# Altium PCB LTC5510.PcbDoc
Units mil, origin at the board's own origin, x right, y up, seen from the top; angles counter-clockwise.
Board outline 1422 x 1139 mil, 4 copper layers (Top Layer, Internal Plane 1, PWR, Bottom Layer), stack 61.855 mil thick; 26 components, 21 nets, 89 pads, 266 vias.
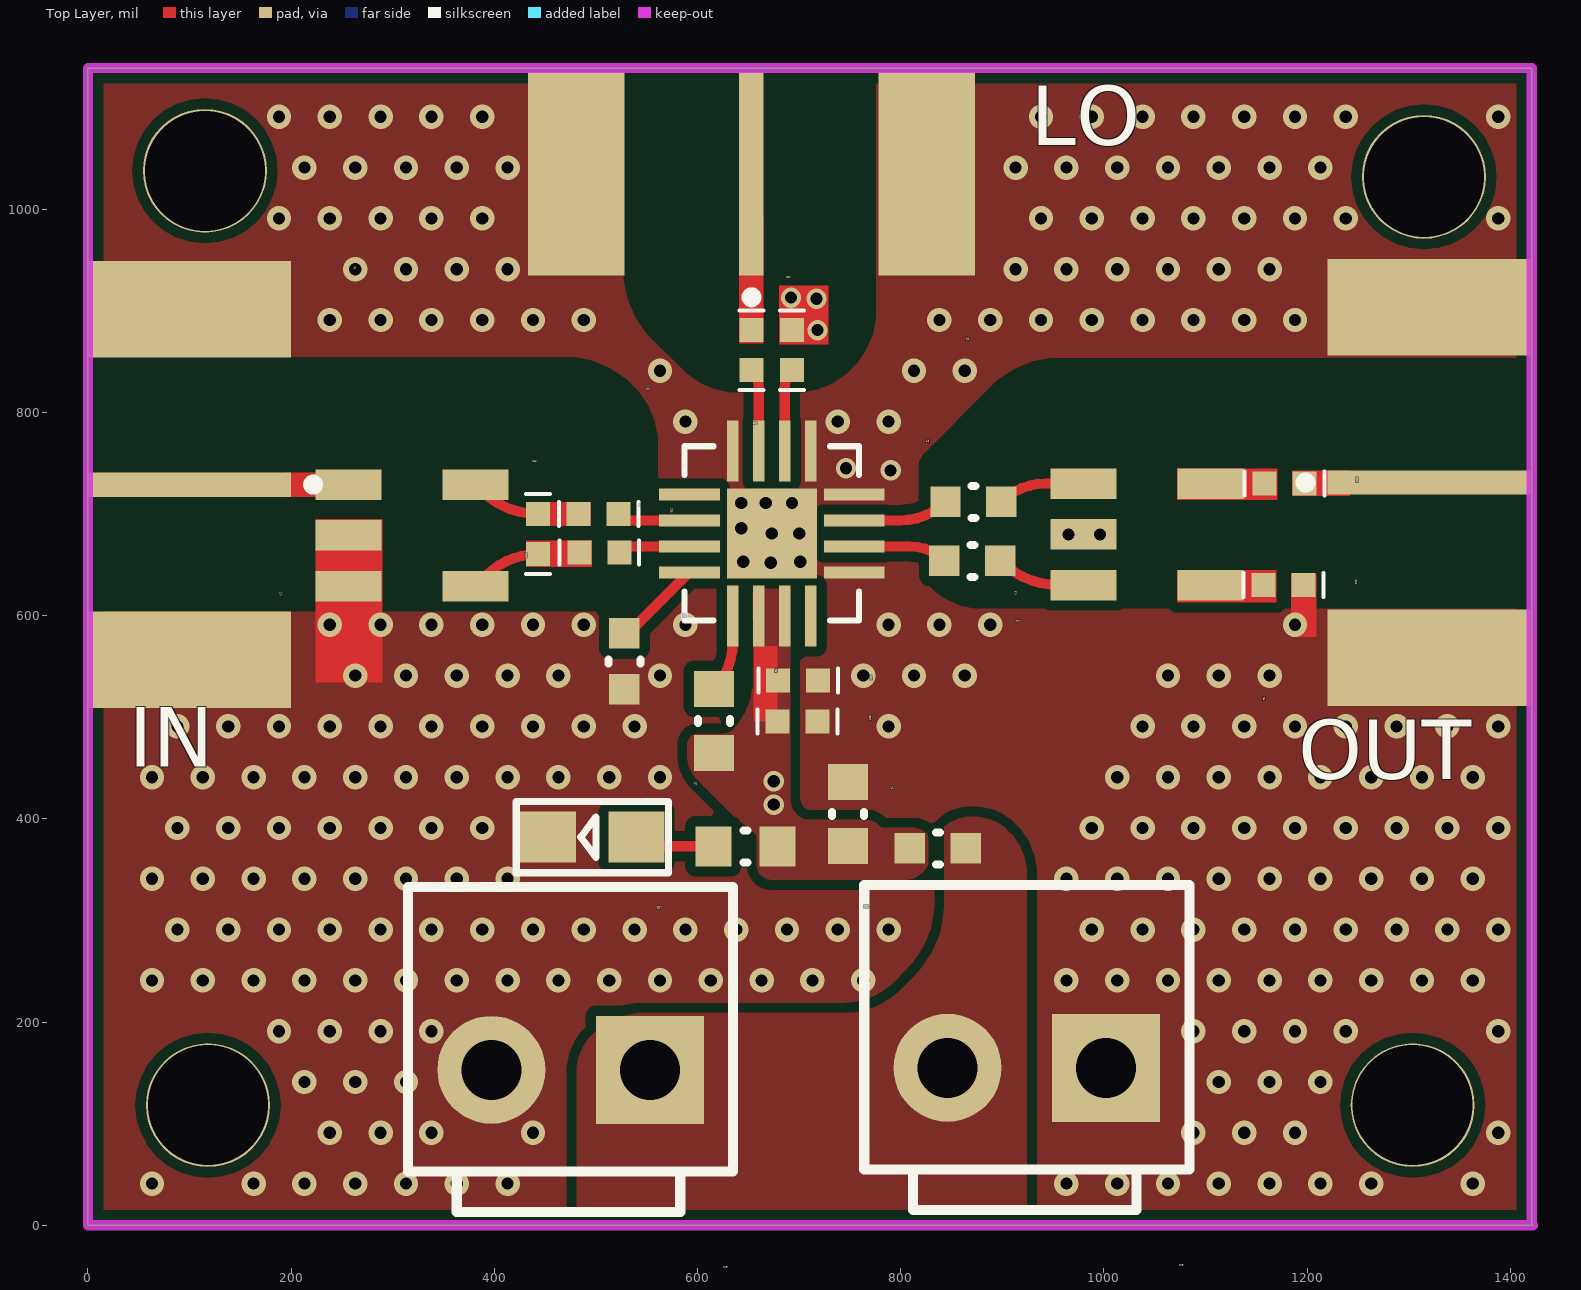
[diagram p0: Top Layer view]
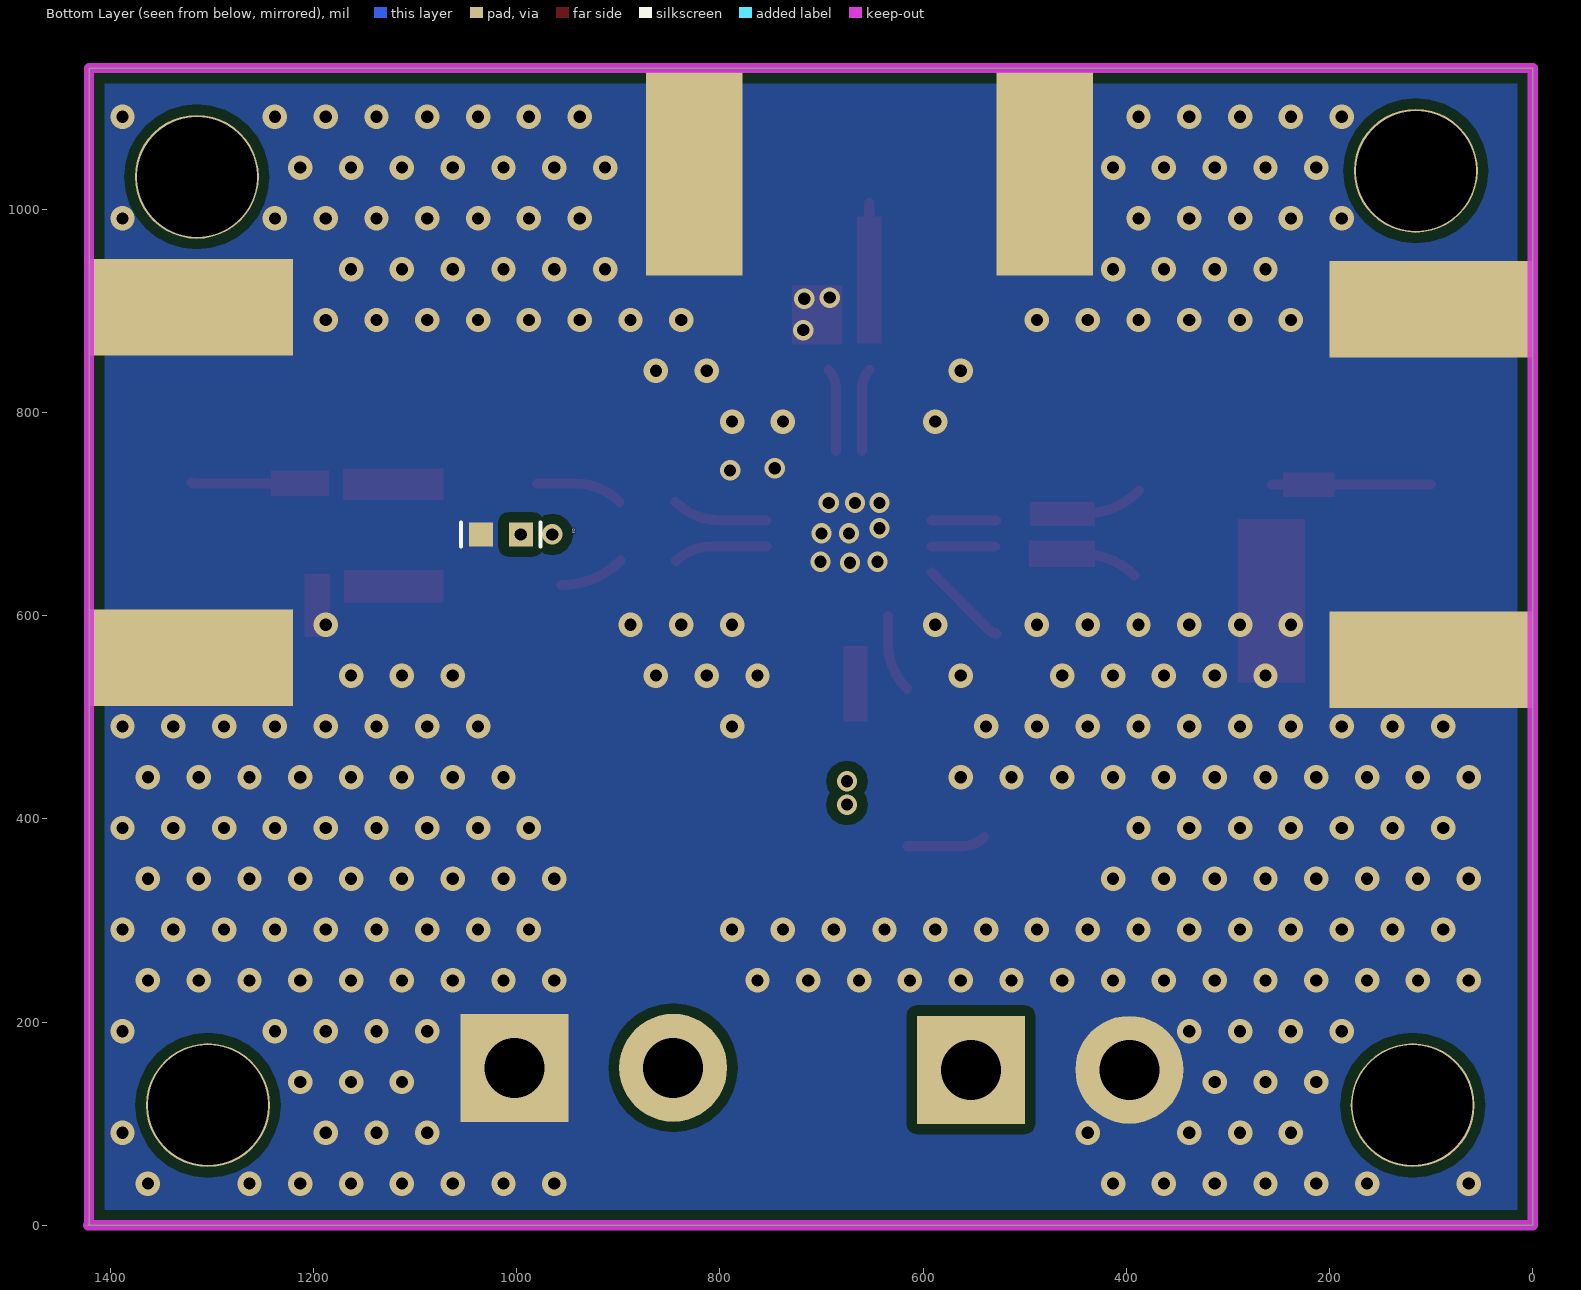
[diagram p1: Bottom Layer view, seen from below]
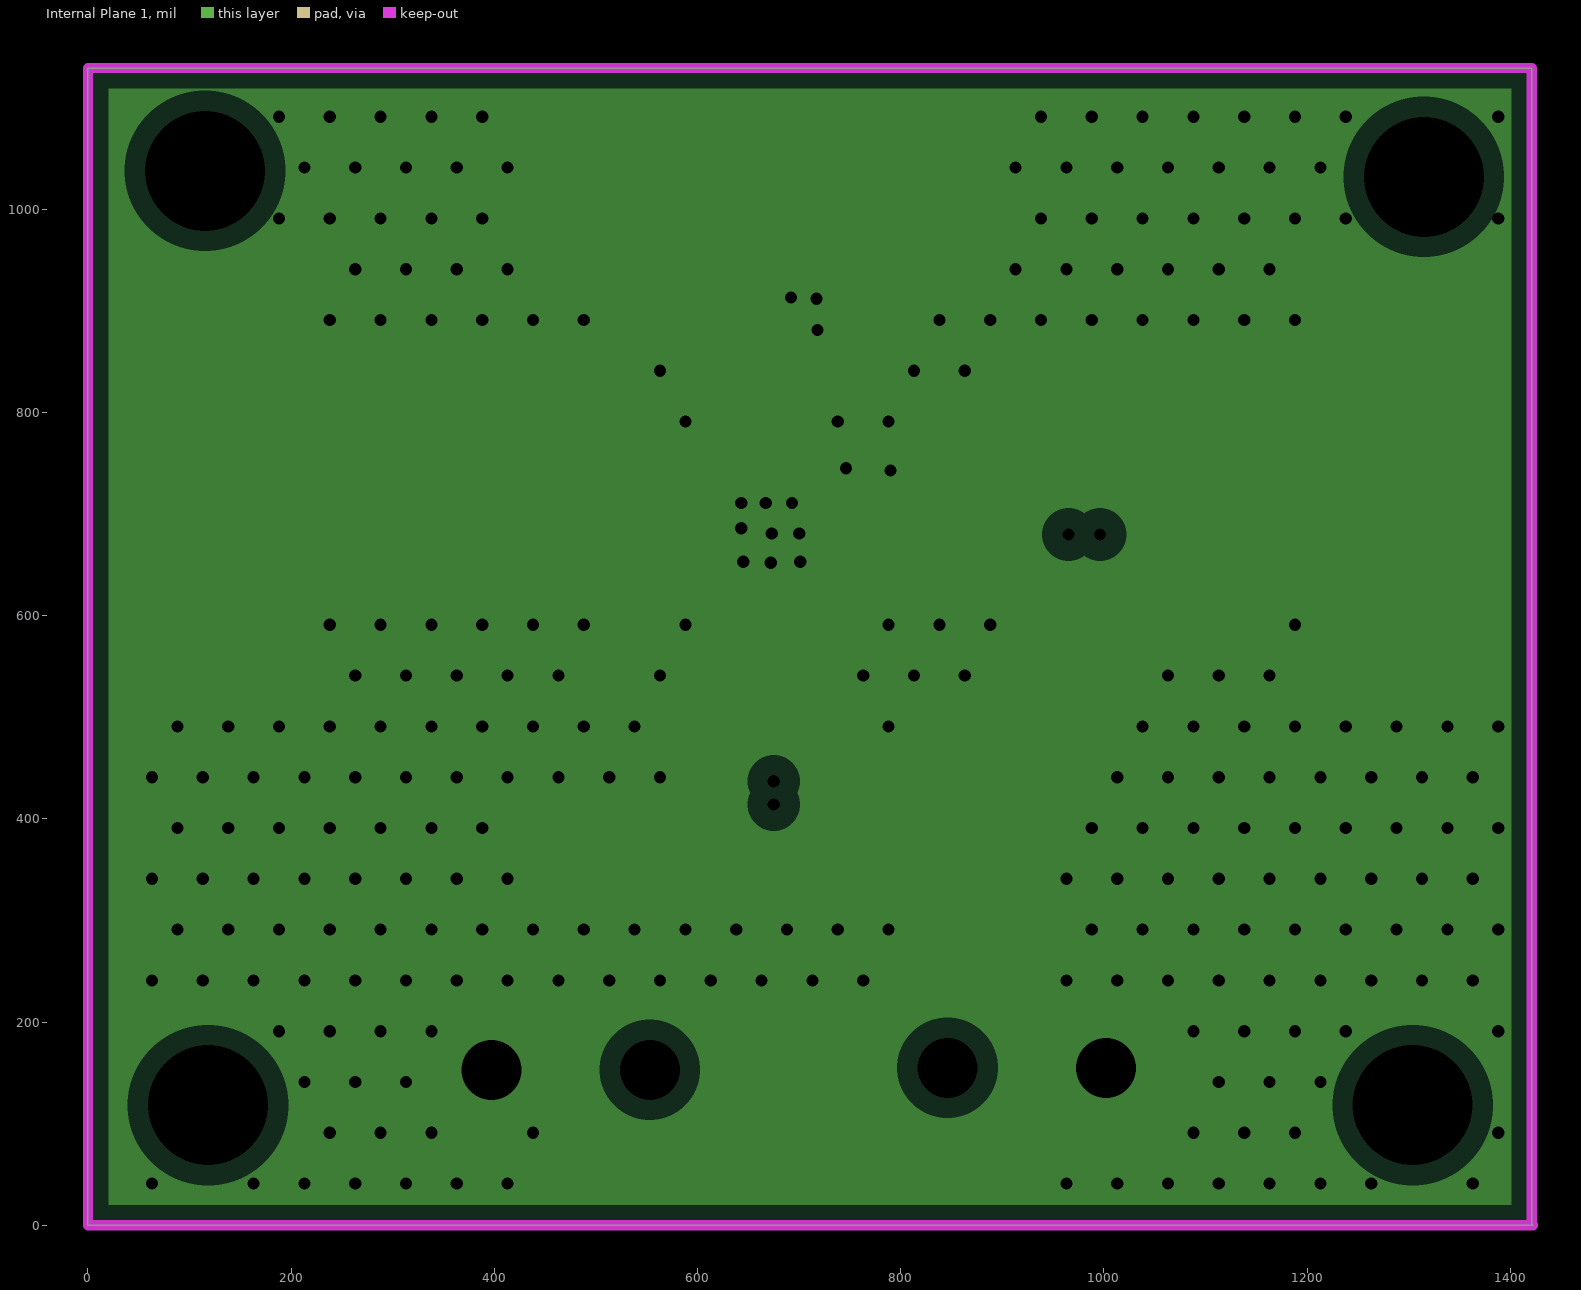
[diagram p2: Internal Plane 1, clearances drawn from the general rule]
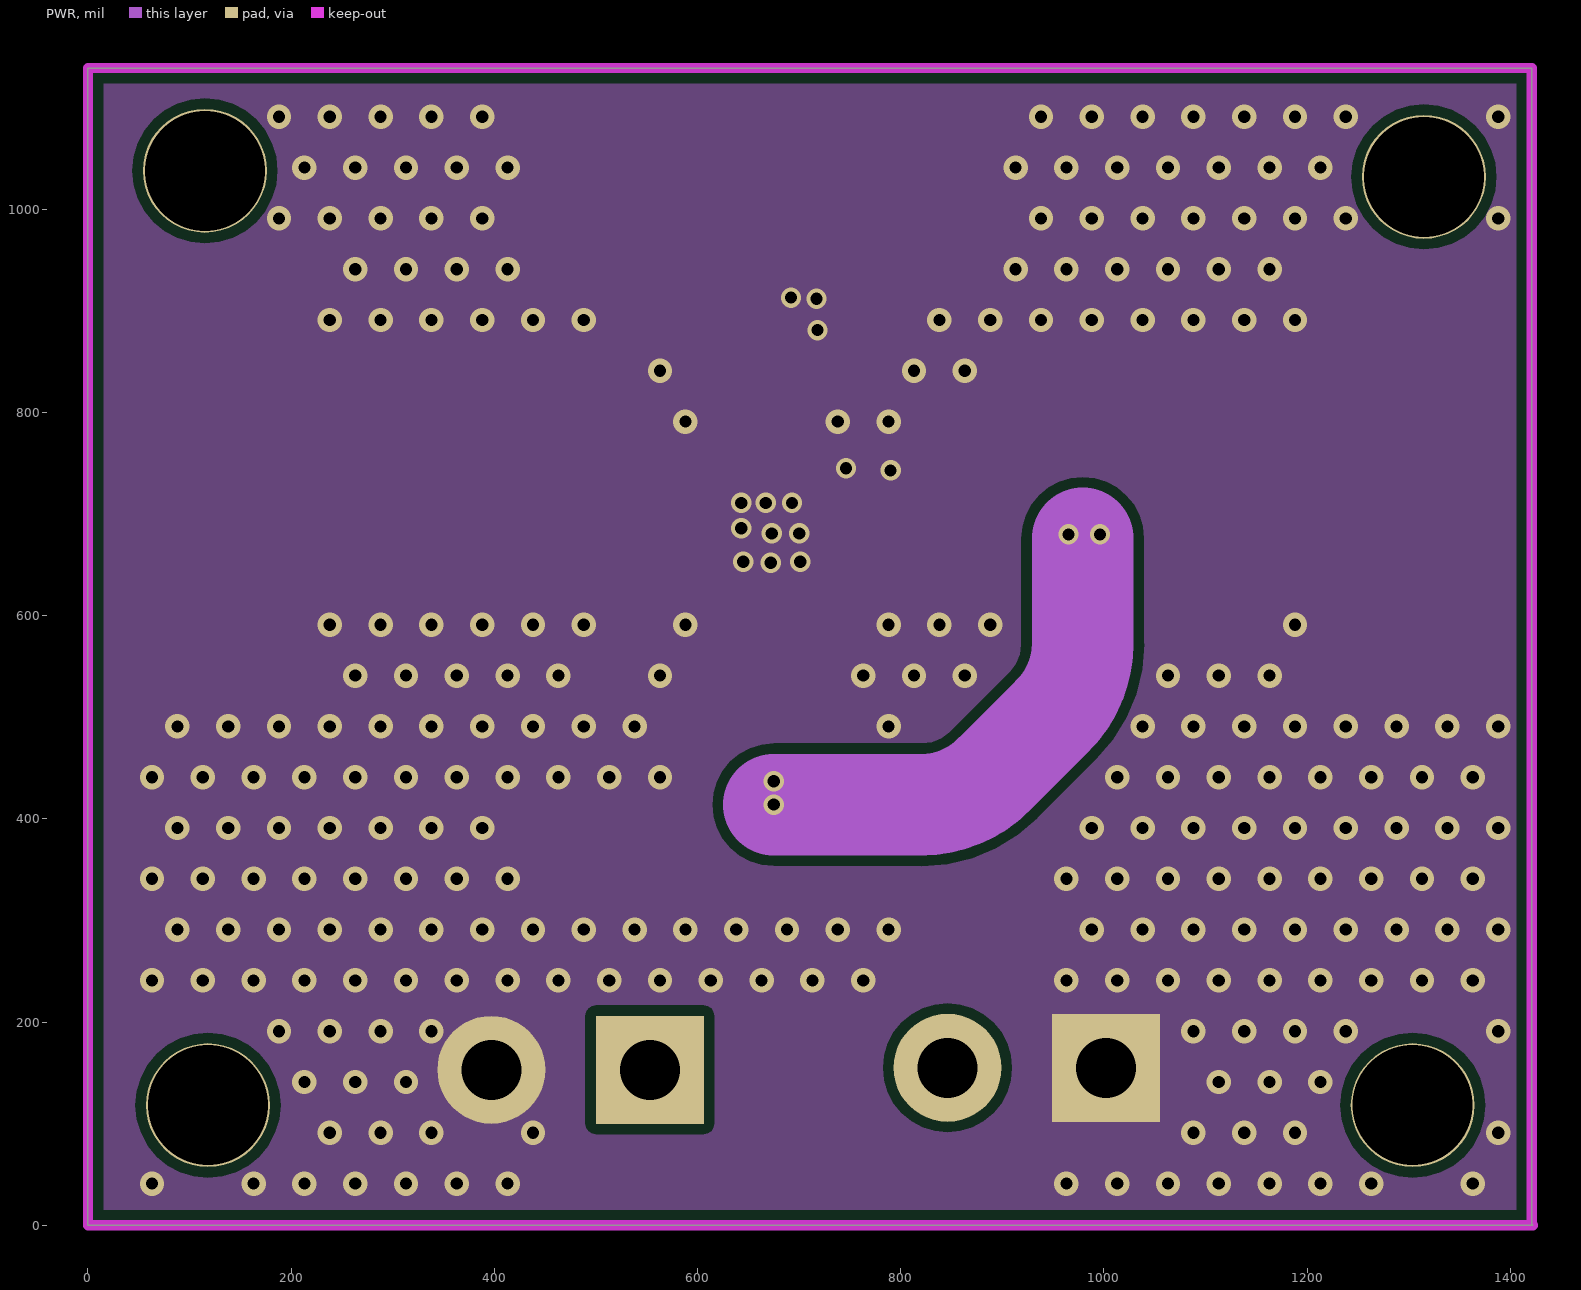
[diagram p3: PWR]

## Layer stack, top to bottom
Top Solder: solder mask 0.4, Solder Resist, Dk 3.5
Top Layer: signal copper 1.4
Dielectric 1: core 7.874, FR-4, Dk 4.2
Internal Plane 1: plane copper 0.689, net GND
Dielectric 3: prepreg 41.9291, Dk 4.2
PWR: signal copper 0.689
Dielectric 2: core 7.874, Dk 4.2
Bottom Layer: signal copper 1.4
Bottom Solder: solder mask 0.4, Solder Resist, Dk 3.5

## Board outline
0,0 0,1139 1421,1139 1421,1 1422,0

## Design rules (kind name [scope] priority, off if disabled: settings)
Clearance [All] p1: gap=10 ignorepadtopadclearanceinfootprint=FALSE except(0: Arc-Hole Track-Hole SMDPad-Hole THPad-Hole Via-Hole Fill-Hole Poly-Hole Region-Hole Text-Hole)
PlaneClearance [All] p1: clearance=20
PlaneConnect [All] p1: planeconnectstyle=Direct reliefexpansion=20 reliefentries=4 reliefconductorwidth=10 reliefairgap=10
PolygonConnect [All] p1: connectstyle=Direct reliefconductorwidth=10 reliefentries=4 polygonreliefangle="90 Angle" airgapwidth=10
RoutingVias [All] p1: holewidth=28 width=50 viastyle="Through Hole" minholewidth=28 minwidth=50 maxholewidth=28 maxwidth=50
SolderMaskExpansion [All] p1: expansion=4
Width [All] p1: maxlimit=200 minlimit=10 preferedwidth=11.55
28 further rules are at their usual default settings.

## Components (designator, comment, footprint, x,y, rotation, side; value= is the part's Value field where it differs from the comment)
5V1 "3.96" 3.96 475.05,153 r180 top
5V2 "3.96" 3.96 924.05,155 r180 top
C13 "0.5p(up)/0.9(down)" 0402 443,660.63 r90 top
C14 "0.1uf" 0402 523,662 r180 top
C16 "0.1uF" 0402 483,700 r0 top
C17 "1uF" 0402 678.63,496 r0 top
C18 "10nF" 0402 1035.37,680 r180 bottom
C19 "10nF" 0402 679.26,536 r0 top
C21 "0.1uF" 0402 653,881 r270 top
C22 "0.1uF" 0402 693,841.63 r90 top
C23 "0.1uF" 0402 1158,730 r0 top
C24 "0.1uF" 0402 1157,630 r0 top
C28 "10uF" 0603C 748,405 r270 top
L1 "BEAD" 0603L 836.5,371 r0 top value=100uH
L3 "15nH(up)/0(down)" 0603L 871.5,712 r0 top value=100uH
L4 "220nH(up)/0(down)" 0603L 870.5,654 r180 top value=100uH
L5 "220nH(up)/0(down)" 0603L 528,555 r270 top value=100uH
LD1 "LED" SMDLED 540.04,381.94 r180 top
P1 "SMA" SMA 196,724 r0 top
P5 "SMA" SMA 1224,736 r180 top
P6 "SMA" SMA 648,939 r270 top
R1 "1K" 0603R 647,373 r0 top
R5 "1k" 0603R 616,496.5 r270 top
U2 "TC4-19LN+" AT224 319,679 r90 top
U3 "TC4-19LN+" AT224 1042.5,680 r90 top
U4 "LTC5510" QFN-16_UF 673,681 r0 top value=Value

## Footprints (in the part's own frame and the unit in brackets; to place one, negate y for a bottom-side part, rotate by r counter-clockwise, add the part's x,y. Pads: shape width x height; smd on the part's side, far side on the other; paste and mask are expansions set on the pad)
3.96 [mm] "接插件，25V/5A"
  rect 2.7x2.7 hole 1.5: 1(-1.98,0)
  round 2.7 hole 1.5: 2(1.982,0)
  silkscreen extent -4.06,-4.57 4.07,3.56, body extent -3.98,-4.4 4.03,4.16, height 10.5
0402 [mm]
  rect 0.6x0.6 smd: 1(0,0) 2(1,0)
  silkscreen extent -0.5,-0.3 1.5,0.3
0603C [mm] "Chip Capacitor, Body 1.6x0.8mm, Height 1.0mm, IPC Medium Density"
  rect 0.9x1 smd: 1(-0.8,0) 2(0.8,0)
  silkscreen extent -0.05,-0.4 0.05,0.4, body extent -0.87,-0.48 0.88,0.47, height 1
0603L [mil] "Bead 0603L"
  rect 30x30 smd: 1(27.5,0) 2(-27.5,0)
  silkscreen extent -2,-16 2,16, body extent -34,-19 34,19, height 24
0603R [mm] "Chip Resistor, Body 1.6x0.8mm, IPC Medium Density"
  rect 0.9x1 smd: 1(-0.8,0) 2(0.8,0)
  silkscreen extent -0.05,-0.4 0.05,0.4, body extent -0.85,-0.47 0.85,0.47, height 0.6
AT224 [mil]
  rect 30x65 smd: 1(-50,62.5) 2(0,62.5) 3(50,62.5) 4(50,-62.5) 6(-50,-62.5)
QFN-16_UF [mm]
  rect 1.524x0.299 smd paste+0 mask+0: 1(-2.062,0.975) 2(-2.062,0.325) 3(-2.062,-0.325) 4(-2.062,-0.975) 9(2.062,-0.975) 10(2.062,-0.325) 11(2.062,0.325) 12(2.062,0.975)
  rect 0.299x1.524 smd paste+0 mask+0: 5(-0.975,-2.062) 6(-0.325,-2.062) 7(0.325,-2.062) 8(0.975,-2.062) 13(0.975,2.062) 14(0.325,2.062) 15(-0.325,2.062) 16(-0.975,2.062)
  rect 2.25x2.25 smd paste-1.112 mask+0: 17(0,0)
  silkscreen extent -2.18,-2.18 2.18,2.18
SMA [mil]
  rect 200x24 smd: 1(-96,5)
  rect 200x95 smd: 2(-96,-167.5) 2(-96,177.5)
  rect 200x95 smd far side: 2(-96,-167.5) 2(-96,177.5) 2(-96,177.5)
  silkscreen extent 21,0 31,10, body extent -571,-183 -9,192, height 171
SMDLED [mm]
  rect 1.4x1.27 smd: 1(0.001,-0.002) 2(2.211,-0.002)
  silkscreen extent -0.8,-0.89 3.01,0.89

## Part data
C13 C14 C16 C17 C18 C19 C21 C22 C23 C24 C28: library part C, "Capacitor"
L1 L3 L4 L5: library part Inductor, "Inductor", Published=8-Jun-2000, Publisher="Altium Limited", Revision="July-2002: Re-released for DXP Platform."
LD1: "Typical RED, GREEN, YELLOW, AMBER GaAs LED", PackageDocument=Feb-2002, LatestRevisionDate=17-Jul-2002, LatestRevisionNote="Re-released for DXP Platform.", PackageReference=3.2X1.6X1.1, Published=8-Jun-2000, Publisher="Altium Limited"
P1 P5 P6: "SMA Connector"
R1 R5: library part Resistor, "Resistor"
U4: "1MHz 至 6GHz、宽带、高线性度有源混频器", Manufacturer_Part_Number=LTC5510IUF#TRPBF, Built_By=EMA_UL_Team, Copyright="Copyright (C) 2018 Accelerated Designs. All rights reserved", RefDes=RefDes, Type=DEV, Vendor="Linear Technology"

## Free pads (board coordinates)
  round 122.05 hole 118.11 unplated: 7(115.11,1037.89) 7(118.11,118.11) 7(1303.89,118.11) 7(1314.89,1031.89)

## Via types
v1: diameter 24, hole 12, Top Layer to Bottom Layer, tented both sides, 248 vias
v2: diameter 20, hole 12, Top Layer to Bottom Layer, tented both sides, 18 vias

## Nets (pads, with @x,y where several pads share a name; then routed paths per layer and width w, separated by ;. In a path a pad name is that pad's centre, name@x,y a point inside that pad or via, vN(x,y) a via of type N, cw(c..) or ccw(c..) an arc to the next point about the centre after c; other vN are vias at no path point)
GND: 5V1.2 5V2.1 C17.2 C18.1 C19.2 C22.2 C24.2 C28.1 L5.1 LD1.2 P1.2 P5.2 P6.2 U2.1 U2.2 U4.9 U4.12 U4.13 U4.16 U4.17
  other v1: 63,41 163,41 213,41 263,41 313,41 363,41 413,41 963,41 1013,41 1063,41 1113,41 1163,41 1213,41 1263,41 1363,41 238,91 288,91 338,91 438,91 1088,91 1138,91 1188,91 1388,91 213,141 263,141 313,141 1113,141 1163,141 1213,141 188,191 238,191 288,191 338,191 1088,191 1138,191 1188,191 1238,191 1388,191 63,241 113,241 163,241 213,241 263,241 313,241 363,241 413,241 463,241 513,241 563,241 613,241 663,241 713,241 763,241 963,241 1013,241 1063,241 1113,241 1163,241 1213,241 1263,241 1313,241 1363,241 88,291 138,291 188,291 238,291 288,291 338,291 388,291 438,291 488,291 538,291 588,291 638,291 688,291 738,291 788,291 988,291 1038,291 1088,291 1138,291 1188,291 1238,291 1288,291 1338,291 1388,291 63,341 113,341 163,341 213,341 263,341 313,341 363,341 413,341 963,341 1013,341 1063,341 1113,341 1163,341 1213,341 1263,341 1313,341 1363,341 88,391 138,391 188,391 238,391 288,391 338,391 388,391 988,391 1038,391 1088,391 1138,391 1188,391 1238,391 1288,391 1338,391 1388,391 63,441 113,441 163,441 213,441 263,441 313,441 363,441 413,441 463,441 513,441 563,441 1013,441 1063,441 1113,441 1163,441 1213,441 1263,441 1313,441 1363,441 88,491 138,491 188,491 238,491 288,491 338,491 388,491 438,491 488,491 538,491 788,491 1038,491 1088,491 1138,491 1188,491 1238,491 1288,491 1338,491 1388,491 263,541 313,541 363,541 413,541 463,541 563,541 763,541 813,541 863,541 1063,541 1113,541 1163,541 238,591 288,591 338,591 388,591 438,591 488,591 588,591 788,591 838,591 888,591 1188,591 588,791 738,791 788,791 563,841 813,841 863,841 238,891 288,891 338,891 388,891 438,891 488,891 838,891 888,891 938,891 988,891 1038,891 1088,891 1138,891 1188,891 263,941 313,941 363,941 413,941 913,941 963,941 1013,941 1063,941 1113,941 1163,941 188,991 238,991 288,991 338,991 388,991 938,991 988,991 1038,991 1088,991 1138,991 1188,991 1238,991 1388,991 213,1041 263,1041 313,1041 363,1041 413,1041 913,1041 963,1041 1013,1041 1063,1041 1113,1041 1163,1041 1213,1041 188,1091 238,1091 288,1091 338,1091 388,1091 938,1091 988,1091 1038,1091 1088,1091 1138,1091 1188,1091 1238,1091 1388,1091
  other v2: 672,652 645,653 701,653 673,681 700,681 643,686 643,711 667,711 693,711 790,743 746,745 718,881 717,912 692,913
NetC13_1: C13.1 C14.2 U2.6 | length 95.9
  Top Layer w10: U2.6@392.01,639.51 cw(c443,588.52) C13.1 ; C13.1@444.37,662 C14.2
NetC13_2: C13.2 C16.1 U2.4 | length 101.6
  Top Layer w10: U2.4@387.52,722.98 ccw(c443,778.46) C13.2 C16.1
NetC14_1: C14.1 U4.3 | length 62.6
  Top Layer w10: C14.1@529.2,668.2 U4.3
NetC16_2: C16.2 U4.2 | length 63.2
  Top Layer w10: C16.2@528.57,693.8 U4.2
NetC21_1: C21.1 P6.1 | length 125
  Top Layer w10: C21.1 P6.1@653,1006
NetC21_2: C21.2 U4.15 | length 81.4
  Top Layer w10: C21.2 cw(c635.61,824.24) 660.2,824.24 U4.15
NetC22_1: C22.1 U4.14 | length 81.4
  Top Layer w10: U4.14 685.8,824.24 cw(c710.39,824.24) C22.1
NetC23_1: C23.1 U3.4 | length 53
  Top Layer w10: U3.4 C23.1
NetC23_2: C23.2 P5.1 | length 122.9
  Top Layer w10: C23.2 1317.59,730 ccw(c1317.59,733.41) P5.1
NetC24_1: C24.1 U3.6 | length 52
  Top Layer w10: U3.6 C24.1
NetL3_1: L3.1 U3.3 | length 85.8
  Top Layer w10: L3.1 cw(c942.46,668.54) 942.46,730 U3.3
NetL3_2: L3.2 U4.11 | length 94.7
  Top Layer w10: U4.11 800.05,693.8 ccw(c800.05,755.95) L3.2
NetL4_2: L4.2 U3.1 | length 64.4
  Top Layer w10: L4.2 ccw(c955.94,711.94) U3.1@955.94,630
NetL5_2: L5.2 U4.4 | length 88.3
  Top Layer w10: L5.2 ccw(c528,591.44) 534.32,585.12 U4.4
NetLD1_1: LD1.1 R1.1 | length 77.9
  Top Layer w10: LD1.1 ccw(c561.74,403.73) 561.74,373 R1.1
NetP1_1: P1.1 U2.3 | length 156.5
  Top Layer w10: P1.1 U2.3
NetR5_1: R5.1 U4.5 | length 76.8
  Top Layer w10: R5.1 ccw(c571.06,572.94) 634.61,572.94 U4.5
OUT2: L4.1 U4.10 | length 92.6
  Top Layer w10: U4.10 808.71,668.2 cw(c808.71,619.71) L4.1
VCC: 5V1.1 5V2.2 L1.1
VCC1: C17.1 C18.2 C19.1 C28.2 L1.2 R1.2 R5.2 U3.2 U4.6 U4.7 | length 488.9
  PWR w100: v2(675,414) 820.58,414 ccw(c820.58,514) 891.29,443.29 949.71,501.71 ccw(c879,572.42) 979,572.42 979,676
  other v2: 675,437 965,680 996,680
pads on no net: U4.1 U4.8

## Polygon pours and split planes (outlines as drawn)
GND on Top Layer "Top Layer-No Net" (solid, remove dead copper, pour order 8): 0,1139 0,0 1422,0 1422,1136.59 ccw(c1418.59,1136.59) 1421,1139
VCC1 on Top Layer "Top Layer-No Net" (solid, remove dead copper, pour order 6): 655,570 654.33,536.67 cw(c585.92,535.66) 635,488 cw(c625.35,497.65) 625.34,484 598.83,484 ccw(c598.83,477.18) 594,482 ccw(c603.65,472.34) 590,472.34 590,463 ccw(c626.21,463) 600.61,437.39 639.95,398.05 cw(c606.44,335.61) 674,357
VCC1 on Top Layer "Top Layer-No Net" (solid, remove dead copper, pour order 2): 654,630 691,630 691,420.9 ccw(c714.9,420.9) 698,404 ccw(c710.07,416.07) 710.07,399 765.93,399 cw(c765.93,381.93) 778,394 ccw(c785.24,401.24) 785.24,391 811.51,391 cw(c811.51,370.51) 826,385 cw(c823.59,382.59) 827,382.59 827,358 cw(c814.93,358) 823.46,349.46 821,347 cw(c804.1,363.9) 804.1,340 672.66,340 cw(c672.66,353.66) 663,344 cw(c675.07,356.07) 658,356.07 658,562.76 ccw(c647.76,562.76) 655,570
VCC on Top Layer "Top Layer-No Net" (solid, remove dead copper, pour order 0): 843,392 843,316.42 cw(c743,316.42) 813.71,245.71 799,231 cw(c745.89,284.11) 745.89,209 549.11,209 ccw(c549.11,133.89) 496,187 ccw(c532.21,150.79) 481,150.79 481,-3 918.59,-3 cw(c918.59,-6.41) 921,-4 ccw(c913.76,3.24) 924,3.24 924,344.54 ccw(c862.54,344.54) 906,388 ccw(c872.2,354.2) 872.2,402 868,402 ccw(c868,365.79) 842.39,391.39
GND on Bottom Layer "Top Layer-No Net" (solid, remove dead copper, pour order 10): 0,1139 0,0 1422,0 1422,1136.59 ccw(c1418.59,1136.59) 1421,1139
GND on PWR "Top Layer-No Net" (solid, remove dead copper, pour order 12): 0,1139 1421,1139 1421,2.41 ccw(c1424.41,2.41) 1422,0 0,0
GND on Internal Plane 1 (split plane): 1400.9,20.1 20.1,20.1 20.1,1118.9 1400.9,1118.9

## Keep-outs
Keep-Out Layer:
  lines w10: 0,0 0,1111 0,1139 429,1139 1421,1139 1421,1113 1421,1 1422,0 0,0

## Other copper
Top Layer:
  rectangle net GND: 680,867 729,925
  rectangle net GND: 1184,579 1209,641
  rectangle net GND: 224,534 290,695
  rectangle net VCC1: 655,496 678.63,570
  rectangle net NetC21_1: 641,868 665,993
  rectangle net NetC23_2: 1185,718 1242,743
  rectangle net NetC24_1: 1072,613 1170,645
  rectangle net NetC23_1: 1072,714 1171,745
  rectangle net NetC13_1: 431,648 496,674
  rectangle net NetC13_2: 431,688 495,712
  rectangle net NetP1_1: 195,717 246,741
  pour cut-out: 1420,854 958.42,854 ccw(c958.42,754) 887.71,824.71 824,761 ccw(c840.9,744.1) 817,744.1 817,655.36 ccw(c854.56,655.36) 828,628.8 ccw(c880.64,681.44) 880.64,607 1420,607
  pour cut-out: 527,1136 527,941.42 ccw(c627,941.42) 556.29,870.71 583.47,843.53 ccw(c641.19,901.25) 641.19,819.62 695.56,819.62 ccw(c695.56,899.44) 752,843 ccw(c694.06,900.94) 776,900.94 776,1141
  pour cut-out: 396.58,855 466.99,855 cw(c466.99,755.99) 537,826 cw(c478.56,767.56) 561.2,767.56 561.2,723.02
  pour cut-out: 16,855 396.58,855 cw(c396.58,755) 467.29,825.71 555,738 cw(c540.02,723.02) 561.2,723.02 561.2,612 cw(c541.89,631.31) 541.89,604 0,604

## Silkscreen, mask and mechanical layers (free items; w line width, h text height)
Top Overlay:
  text "LO" at 928,1044 h100
  text "IN" at 40,432 h100
  text "OUT" at 1191,420 h100
Bottom Solder:
  rectangle: 563,583 783,779

## Text inside footprints (layer, text, board x,y; h text height)
U4: Top Overlay "*" at 542.79,707.18 h1